# Altium PCB R100.230.030.001-00 ControlVR.PcbDoc (part 3 of 5) (continued)
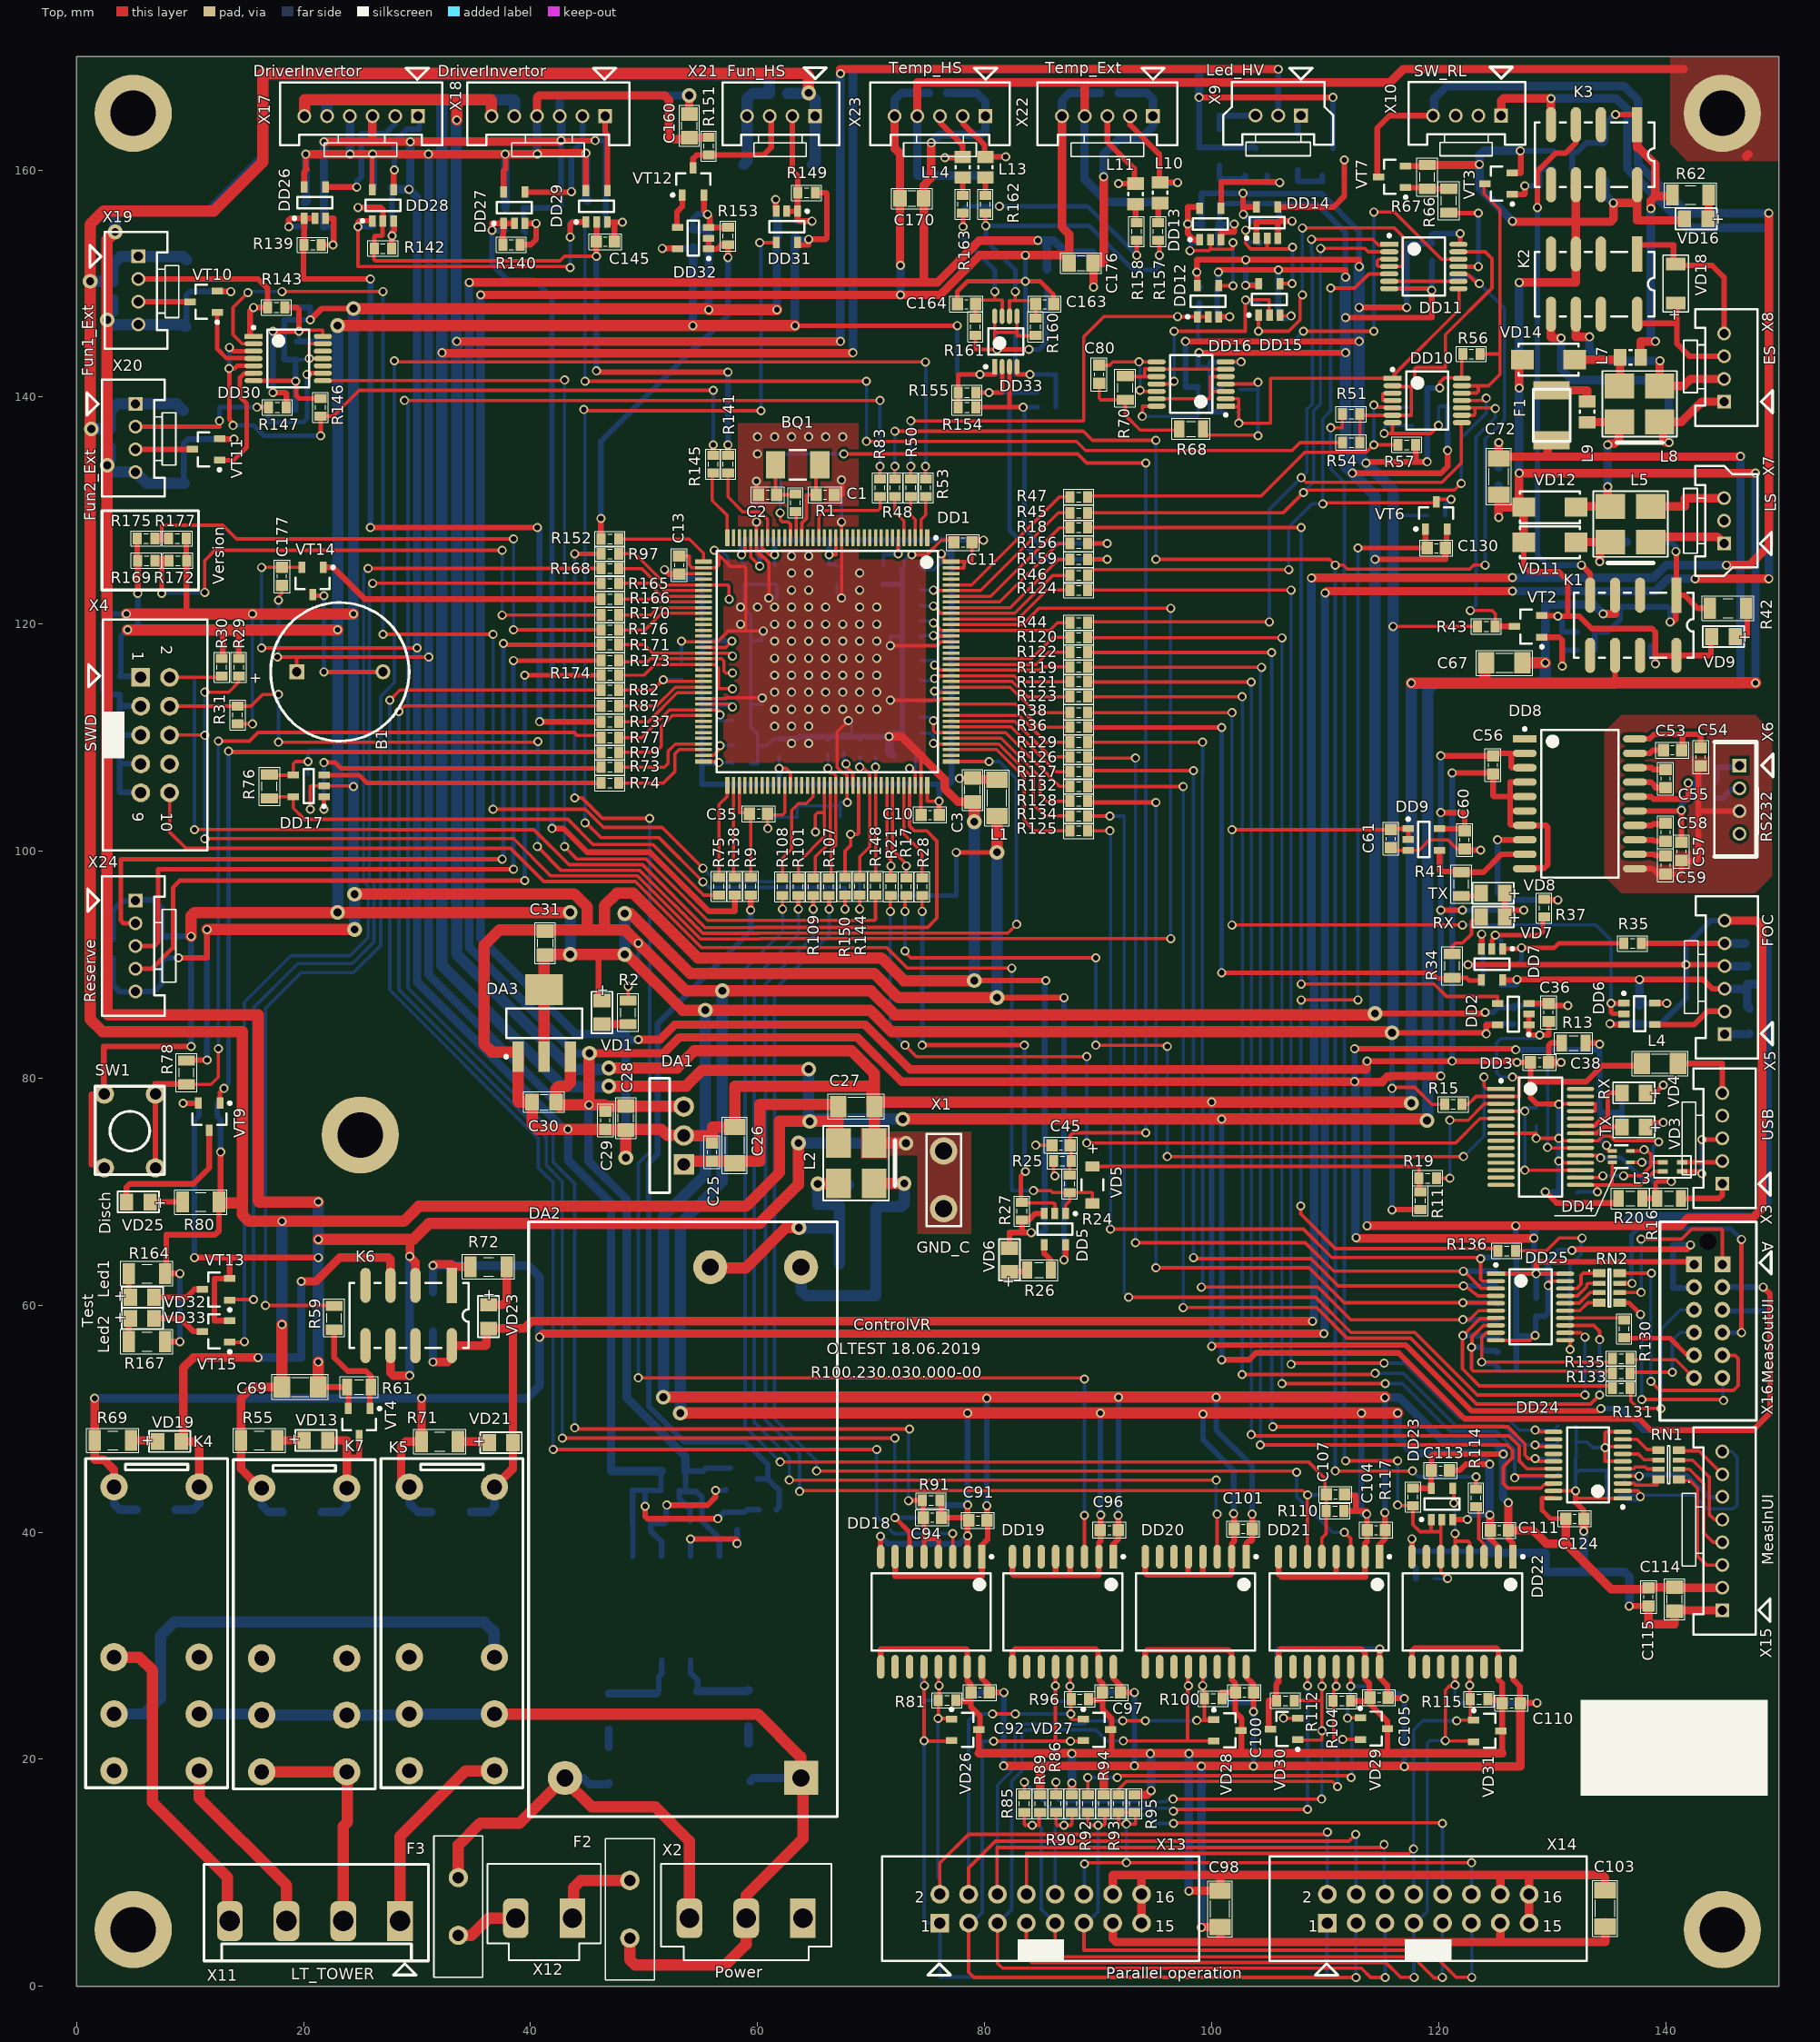
[diagram p0: Top view]
## Nets (pads, with @x,y where several pads share a name; then routed paths per layer and width w, separated by ;. In a path a pad name is that pad's centre, name@x,y a point inside that pad or via, vN(x,y) a via of type N, cw(c..) or ccw(c..) an arc to the next point about the centre after c; other vN are vias at no path point) (continued)
  Bottom w0.75: C139.1@21.8,155.025 C137.1@21.8,157.125 v1(21.8,162.5) ; C143.1@27.8,158.4 28,158.2 28.101,158.3 v1(29.3,158.3) 29.4,158.4 29.4,162.382 29.518,162.382 v1(29.4,162.5) ; v1(29.3,158.3) 30,157.6 v1(30,117.9) 30,88.475 42.975,75.5 v1(43.3,75.5) 43.3,72.8 47.1,69 47.1,45.4 C34.1@51.55,45.4 ; v1(29.35,53.8) v1(29.35,64.3) ; v1(35.6,149) 35.6,92.3 44,83.9 48.4,83.9 48.4,83.3 ; v1(42.7,162.6) 42.7,164.625 X18.3@42.575,164.75 42.575,166.575 v2(53.975,166.575) ; v2(48.4,73) 48.4,83.3 ; v1(49.5,83.4) 48.5,83.4 48.4,83.3 ; C162.1@54.325,154.8 55.6,154.8 55.7,154.7 v1(55.7,147.7) ; v1(61.7,147.7) 61.7,154.05 C155.1@61.775,154.125 61.775,155.425 C158.2@61.7,155.5 ; v1(67.3,144.9) v1(67.3,168.5) ; v1(71.6,110.1) 71.6,108.75 C21.2@71.85,108.5 ; X23.5@72.075,164.75 72.075,166.175 72.7,166.8 C169.1@75.1,166.8 ; v1(72.6,149) v1(72.6,151.6) ; X22.5@86.825,164.75 86.825,166.125 87.5,166.8 C175.1@90.2,166.8 ; C70.2@100.7,153.55 C84.1@100.7,155.25 ; v1(113.7,67) v1(113.7,81.5) ; v1(116.4,50.5) 116.4,48.4 117.824,46.976 123.524,46.976 v1(124.5,46) 124.5,41.55 v1(124.525,41.525) 124.525,38.175 129.4,38.175 129.4,36.5 132.8,36.5 ; v1(125.3,129.4) C73.1@125.3,132.2 ; v1(126.5,155.5) 123.6,158.4 v1(123.6,160.5) 123.6,161.3 124,161.7 v1(127.2,161.7) ; v1(127.1,133.3) v1(127.1,140.8) v1(127.1,150.1) ; v1(132.8,40.1) 132.8,36.5 ; VD17.1@134.7,159.075 134.7,157.8 v1(135.4,157.1) ; C48.1@136.3,84.775 C47.2@137.7,84.775 ; v1(136.8,33.5) 136.8,36.1 136.4,36.5 132.8,36.5 ; X5.4@145.2,89.875 147.175,89.875 C50.1@147.2,89.9 ; v1(147.925,114.825) v1(147.925,133.3)
  Bottom w1: C152.2@2.95,135.6 2.95,134.55 2.7,134.3 v2(2.7,134) 2.7,133.4 X20.4@5.2,133.4 ; C148.2@3.2,148.6 3.2,147.6 2.7,147.1 v2(2.7,146.8) 3.1,146.4 X19.4@5.45,146.4 9.4,146.4 C147.2@9.6,146.2 ; v2(3.4,154.55) 3.4,156.4 11.8,156.4 16.4,161 16.4,168.4 61.025,168.4 C157.2@61.025,166.75 59.55,166.75 59.075,166.275 X21.4@59.075,164.75 59.075,160.775 C156.2@58.8,160.5 ; X20.4@5.2,133.4 6.2,132.4 C151.2@9.5,132.4 ; v1(21.3,55) v1(21.3,64.2) v1(21.3,65.8) v1(21.3,69.1) ; v2(24.4,147.8) 24.404,147.796 24.404,145.718 24.4,145.714 v1(24.4,120.9) v1(24.4,105.7) 24.4,96.3 v2(24.5,96.2) v2(24.5,93.1) ; v1(33.5,164.4) 33.446,164.346 33.446,144.954 v1(33.5,144.9) 33.5,90.925 43.629,80.796 46.796,80.796 v2(46.9,80.9) ; v2(53.2,50.5) 53.2,67.2 56.9,70.9 v2(56.9,87.7) ; v2(63.6,74.3) 63.622,74.278 v2(73.078,74.278) ; v2(79.1,88.6) v2(79.1,102.6) ; v1(111.8,150.574) v1(111.8,147) 111.8,143.9 111.8,133.9 v1(112.404,133.296) 112.925,132.775 ; v1@112.349,133.351 112.925,132.775 ; v2(114.4,85.7) v1(114.4,125.7) 114.4,131.3 112.925,132.775 ; v2(117.6,77.8) v1(117.6,114.8)
  other v1: 63,109.5 64.5,109.5 61.5,111 63,111 64.5,111 61.5,112.5 63,112.5 64.5,112.5 66,112.5 67.5,112.5 69,112.5 70.5,112.5 61.5,114 63,114 64.5,114 66,114 67.5,114 69,114 70.5,114 61.5,115.5 63,115.5 64.5,115.5 66,115.5 67.5,115.5 69,115.5 70.5,115.5 61.5,117 63,117 64.5,117 66,117 67.5,117 69,117 70.5,117 61.5,118.5 63,118.5 64.5,118.5 66,118.5 67.5,118.5 69,118.5 70.5,118.5 58.5,120 61.5,120 63,120 64.5,120 66,120 67.5,120 69,120 70.5,120 58.5,121.5 60,121.5 61.5,121.5 63,121.5 64.5,121.5 66,121.5 69,121.5 70.5,121.5 63,123 64.5,123 69,123 63,124.5 64.5,124.5 69,124.5 63,126 64.5,126 60,135 60,136.5 61.5,136.5 63,136.5 64.5,136.5 66,136.5 67.5,136.5
GND_SHLD: C165.2 C166.2 C173.2 C174.2 pad.0@145,165 X22.4 X23.4 | length 98.5
  Top w0.75: X23.4@74.075,164.75 74.075,167.7 115.7,167.7 116.9,168.9 141.6,168.9 ; X22.4@88.825,164.75 88.825,167.6 ; 147.1,161.2 147.3,161.4
  Bottom w0.75: X23.4@74.075,164.75 74.071,164.746 74.071,159.529 74.1,159.5 C174.2@78.1,159.5 C173.2@80.1,159.5 ; X22.4@88.825,164.75 88.8,164.725 88.8,159.2 90.8,157.2 C166.2@93.3,157.2 C165.2@95.5,157.2
GREEN: K4.2 X11.4 | length 28.6
  Top w1: K4.2@3.306,29 5.525,29 6.7,27.825 6.7,16.2 13.3,9.6 X11.4@13.3,5.8
INT_FUN_PWM: DD1.37 R152.2 | length 8.7
  Top w0.28: R152.2@47.775,127.5 54,127.5 55.25,126.25 DD1.37@55.25,125.51
INT_FUN_SP: C159.2 DD1.96 R150.2 | length 11
  Top w0.3: R150.2@67.7,97.675 67.7,100 68.2,100.5 v1(68.2,101.5) 68.8,101.5 ; 68.9,101.6 DD1.96@68.9,105.8
  Bottom w0.3: v1(68.2,101.5) 68.8,101.5 68.9,101.6 C159.2@68.9,103
LED_DISCHARGE: DD1.64 R79.2 | length 9.8
  Top w0.28: R79.2@47.775,108.7 51,108.7 51.5,109.2 51.5,110.95 52.5,111.95 DD1.64@55.25,111.95
LS_ALARM: C63.2 DD1.132 R44.2 | length 13.8
  Top w0.28: v1(75.5,120.1) 75.529,120.1 76.179,119.45 85.75,119.45 86.425,120.125 R44.2@87.525,120.125
  Bottom w0.28: C63.2@74.35,120.3 75.3,120.3 v1(75.5,120.1)
MIN+_5V: R92.2 R94.2 X13.11 X14.11 | length 55.3
  Top w0.3: X13.11@88.76,5.575 88.76,3.185 119.165,3.185 121.55,0.8 v1(122.925,0.8) ; R92.2@89.1,15.325 89.1,14.3 89.2,14.2 v1(90,14.2) 90.5,14.2 90.6,14.3 90.6,15.225 R94.2@90.5,15.325
  Bottom w0.3: X13.11@88.76,5.575 88.975,5.575 90,6.6 v1(90,14.2) ; X14.11@122.9,5.575 122.975,5.5 122.925,5.45 v1(122.925,0.8)
MIN-_GND: R93.1 R95.1 X13.12 X14.12 | length 47.7
  Top w0.3: v1(88.8,10.8) 88.9,10.9 v1(92.5,10.9) ; v1@92.667,10.9 v1(122.9,10.9) ; R95.1@93.2,15.325 R93.1@91.8,15.325 91.8,14.3 v1(92.5,14.3) 93.3,14.3 R95.1@93.3,15.2
  Bottom w0.3: X13.12@88.76,8.115 88.8,8.155 v1(88.8,10.8) ; v1(92.5,10.9) v1(92.5,14.3) ; X14.12@122.9,8.115 v1(122.9,10.9)
MOUT+_5V: R85.2 R89.2 X13.9 X14.9 | length 56
  Top w0.3: R85.2@83.5,15.325 83.5,14.3 83.6,14.2 v1(84.2,14.2) 84.8,14.2 84.8,15.225 R89.2@84.9,15.325 ; X13.9@86.22,5.575 86.22,2.88 86.5,2.6 117.75,2.6 119.6,0.75 120.325,0.75 v1(120.325,0.8) 120.375,0.8 v1@120.425,0.75
  Bottom w0.3: v1(84.2,14.2) 84.8,14.2 85,14 85,6.795 X13.9@86.22,5.575 ; v1(120.325,0.8) 120.325,5.54 X14.9@120.36,5.575
MOUT-_GND: R86.1 R90.1 X13.10 X14.10 | length 50.9
  Top w0.3: R86.1@86.3,15.325 86.3,14.3 86.4,14.2 v1(87,14.2) 87.6,14.2 87.7,14.3 R90.1@87.7,15.325 ; v1(96.655,14.351) 96.708,14.404 120.296,14.404 v1(120.35,14.35)
  Bottom w0.3: X13.10@86.22,8.115 86.22,14.02 86.4,14.2 v1(87,14.2) 87,14.65 87.454,15.104 94.396,15.104 95.149,14.351 v1(96.655,14.351) ; v1(120.35,14.35) 120.35,8.125 X14.10@120.36,8.115
NetB1_2: B1.2 VT14.3 | length 13.4
  Top w0.4: VT14.3@20.8,122.6 20.8,122.3 21,122.5 v1(21.8,122.5) ; v1(21.8,115.8) 26.6,115.8 26.8,116 B1.2@27,115.8
  Bottom w0.4: v1(21.8,115.8) v1(21.8,122.5)
NetBQ1_1: BQ1.1 C2.1 R1.2 | length 4.5
  Top w0.3: BQ1.1@61.578,134.025 61.578,131.422 C2.1@61.7,131.3 ; C2.1@61.7,131.4 63.275,131.4 R1.2@63.35,131.475
NetBQ1_2: BQ1.2 C1.1 DD1.23 | length 7.6
  Top w0.3: DD1.23@63.9,127.6 63.9,128.9 64.3,129.3 64.3,131.4 C1.1@65.15,131.4 65.15,133.697 BQ1.2@65.478,134.025
NetC14_1: C14.1 DD1.71 | length 3.2
  Top w0.28: DD1.71@55.25,108.45 56.127,108.45 56.7,109.023 v1(56.7,109.3)
  Bottom w0.28: v1(56.7,109.3) C14.1@57.9,109.3
NetC21_1: C21.1 DD1.106 | length 3.6
  Top w0.28: v1(73.4,107.3) 73.6,107.3 73.9,107 DD1.106@73.9,105.8
  Bottom w0.28: v1(73.4,107.3) 73.95,107.3 C21.1@73.95,108.5
NetC22_1: C22.1 C23.1 C24.1 DA2.3 L2.1 | length 26.7
  Top w1: L2.1@70.275,70.722 v2(72.922,70.722)
  Bottom w1: DA2.3@63.831,63.358 63.831,61.294 64.3,60.825 70.425,60.825 70.425,63.625 C22.1@70.4,63.65 C23.1@70.4,66.7 70.4,68.5 70.6,68.7 72.7,68.7 72.922,68.922 v2(72.922,70.722) C24.1@69.878,70.722
NetC22_2: C22.2 C23.2 C24.2 DA2.4 L2.4 | length 26.8
  Top w1: DA2.4@55.55,63.4 55.65,63.3 58.975,63.3 62.525,66.85 63.675,66.85 v2(63.65,66.825) ; v2(65.3,70.7) 66.903,70.7 67.003,70.6 L2.4@67.125,70.722
  Bottom w1: v2(63.65,66.825) 67.075,66.825 C23.2@67.2,66.7 ; C22.2@67.2,63.65 C23.2@67.2,66.7 ; C24.2@68,70.6 67.9,70.7 v2(65.3,70.7) 65.3,68.9 67.1,68.9 67.2,68.8 C23.2@67.2,66.7
NetC32_2: C32.2 DA4.6 R8.1 VT1.1 | length 12.3
  Top w0.5: v1(52,42.4) 55.6,42.4 56.3,43.1 v1(56.3,43.7)
  Bottom w0.5: DA4.6@51.56,37.9 51.56,39.14 50.6,40.1 C32.2@50.6,40.8 51.75,40.8 R8.1@51.95,41 51.95,42.35 v1(52,42.4) ; v1(56.3,43.7) 57.15,43.7 VT1.1@57.2,43.75
NetC38_2: C38.2 C39.2 DD3.20 R13.1 | length 15.6
  Top w0.3: v1(129.6,73.9) 129.65,73.85 DD3.20@132.5,73.85
  Top w0.5: C38.2@129.7,81.4 129.7,81.5 129.7,82.9 129.9,83.1 R13.1@130.85,83.1
  Top w0.75: C38.2@129.6,81.4 C38.2@129.7,81.5 ; C38.2@129.7,81.4 v1(130.8,81.4)
  Bottom w0.3: v1(129.6,73.9) C39.2@129.6,81.4
  Bottom w0.75: C39.2@129.6,81.4 C39.2@129.7,81.4 v1(130.8,81.4)
NetC40_2: C40.2 DD3.4 DD3.17 | length 13.5
  Top w0.3: DD3.4@125.5,77.1 v1(127.6,77.1) ; v1(127.6,71.9) 127.604,71.896 132.496,71.896 DD3.17@132.5,71.9
  Bottom w0.3: v1(127.6,71.9) v1(127.6,77.1) 127.6,77.4 C40.2@128.6,77.4
NetC41_2: C41.2 DD3.19 R16.1 R20.2 | length 12.9
  Top w0.3: DD3.19@132.7,73.2 134.071,73.2 134.271,73 v1(134.271,72.976)
  Top w0.4: R16.1@139.2,69.4 139.1,69.5 139.1,70.733 139.267,70.9 v1(140.5,70.9)
  Top w0.5: R20.2@137.95,69.4 R16.1@139.2,69.4
  Bottom w0.4: v1(134.271,72.976) 136.116,72.976 137.892,71.2 138.6,71.2 138.9,70.9 v1(140.5,70.9)
NetC42_1: C42.1 DD3.15 DD4.3 L3.2 | length 11.9
  Top w0.3: DD3.15@132.5,70.6 134,70.6 ; v1(134,70) 134,70.6 ; DD4.3@135.3,72.6 135.3,70.6 ; L3.2@139.5,71.8 139,71.8 137.8,70.6 135.3,70.6 ; 134,70.6 135.3,70.6
  Bottom w0.3: C42.1@132.2,69.9 132.3,70 v1(134,70)
NetC43_1: C43.1 DD3.16 DD4.5 L3.3 | length 13.2
  Top w0.3: DD3.16@132.5,71.25 134.15,71.25 134.4,71.5 134.467,71.433 v1(134.467,71.404) ; v1(136.296,71.404) 137.841,71.404 138.704,72.267 138.704,73.296 138.1,73.9 v1(138.1,73.7) ; DD4.5@136.9,73.6 137.9,73.6 v1@138,73.7 ; 138.8,72.6 L3.3@139.7,72.6
  Bottom w0.3: C43.1@132.2,71.3 134.363,71.3 v1(134.467,71.404) v1(136.296,71.404)
NetC48_2: C48.2 C61.2 DD6.1 DD6.2 DD9.1 DD9.2 R38.1 | length 91.5
  Top w0.3: R38.1@89.1,112.2 v1(101.8,112.2) ; v1(101.8,93.5) v1(122.1,93.5) ; v1(101.8,101.9) C61.2@115.8,101.9
  Top w0.4: R38.1@89.1,112.3 R38.1@89.2,112.2 ; C61.2@115.8,101.9 115.875,101.975 DD9.1@117.325,101.975 DD9.2@117.325,101.025 ; DD6.1@135.971,86.6 v1(135.2,86.6) 135.2,85.807 135.332,85.675 DD6.2@136.325,85.675
  Bottom w0.3: v1(101.8,93.5) v1(101.8,112.2) ; v1(122.1,93.5) 122.104,93.504 133.833,93.504 135.2,92.137 v1(135.2,86.6)
  Bottom w0.4: v1(135.2,86.6) 135.3,86.5 136.2,86.5 C48.2@136.3,86.4
NetC51_2: C51.2 DD7.1 R35.2 | length 14
  Top w0.4: DD7.1@125.65,91.4 127.2,91.4 v1(127.3,91.5) 130.2,91.5 130.575,91.875 R35.2@136.325,91.875
  Bottom w0.4: C51.2@125.5,89.925 125.575,90 126.908,90 127.3,90.392 v1(127.3,91.5)
NetC52_1: C52.1 DD7.2 R37.2 | length 8.7
  Top w0.4: DD7.2@124.7,91.4 124.7,92.175 125,92.475 v1(125,92.6) 128.883,92.6 129.2,92.917 R37.2@129.2,94.425
  Bottom w0.4: v1(125,92.6) 125.5,92.1 C52.1@125.5,91.225
NetC53_1: C53.1 DD8.19 | length 2.6
  Top w0.5: DD8.19@137.296,108.62 138.62,108.62 138.9,108.9 C53.1@139.8,108.9
NetC55_1: C55.1 DD8.17 | length 3
  Top w0.5: DD8.17@137.296,106.08 138.72,106.08 139.1,105.7 139.1,105.6 139.996,105.6 C55.1@140,105.596
NetC55_2: C55.2 DD8.18 | length 2.8
  Top w0.5: DD8.18@137.296,107.35 138.75,107.35 138.9,107.2 139.996,107.2 C55.2@140,107.196
NetC57_2: C57.2 DD8.15 R40.2 | length 9.1
  Top w0.5: DD8.15@137.65,103.54 v1@141.31,103.54 ; v1@141.25,103.6 v1@141.31,103.54 ; C57.2@141.4,100.775 141.4,101.7 v1@141.4,103.45 ; v1@141.31,103.54 v1@141.4,103.45 ; v1@141.31,103.54 141.34,103.54 v1(141.4,103.6) v1@141.4,103.45
  Bottom w0.5: v1(141.4,103.6) 141.4,104.1 142,104.7 R40.2@142.825,104.7 R40.2@142.9,104.7
NetC58_1: C58.1 DD8.13 | length 2.4
  Top w0.5: DD8.13@137.65,101 138.9,101 139,100.9 C58.1@140,100.9
NetC58_2: C58.2 DD8.14 | length 2.4
  Top w0.5: DD8.14@137.65,102.27 138.77,102.27 138.9,102.4 C58.2@140,102.4
NetC59_2: C59.2 DD8.12 | length 2.3
  Top w0.5: DD8.12@137.65,99.73 138.97,99.73 139.1,99.6 C59.2@139.9,99.6
NetC65_2: C65.2 R49.2 VT2.1 | length 6.9
  Top w0.5: VT2.1@129.1,118.85 130.65,118.85 130.9,118.6 v1(130.9,116.3)
  Bottom w0.5: v1(130.9,116.3) C65.2@130.9,117.7 R49.2@132.225,117.7
NetC66_2: C66.2 DD10.5 R47.1 R57.2 | length 38
  Top w0.3: R47.1@88.975,131.2 R47.1@89.075,131.2 89.175,131.3 104.4,131.3 108.225,135.125 113.625,135.125 v1(114.3,135.8) R57.2@116.425,135.8 ; v1(114.3,139.3) 114.475,139.125 115.875,139.125 DD10.5@115.95,139.05
  Bottom w0.3: v1(114.3,135.8) v1@114.3,139.1 ; v1(114.3,139.3) v1@114.3,139.1 ; C66.2@117.7,139.1 v1@114.3,139.1
NetC68_2: C68.2 R58.2 VT3.1 | length 6
  Top w0.5: VT3.1@126.5,157.85 127.55,157.85 127.6,157.9 v1(127.6,158.6)
  Bottom w0.5: v1(127.6,158.6) 128.9,158.6 128.9,160 C68.2@128.8,160.1 130.025,160.1 R58.2@130.125,160
NetC70_1: C70.1 DD12.4 DD13.2 | length 12
  Top w0.3: v1(98.1,152.9) 99.775,152.9 99.9,153.025 ; DD13.2@99.9,153.875 99.9,153.025 ; DD12.4@100.65,149.825 100.675,149.8 v1(101.9,149.8) ; v1@101.8,153.6 v1(101.9,153.6) 101.9,153.1 101.825,153.025 99.9,153.025
  Bottom w0.3: v1(98.1,152.9) 98.1,153.5 98.15,153.55 C70.1@99.1,153.55 ; v1(101.9,149.8) v1(101.9,153.6)
NetC71_2: C71.2 C77.1 DD11.12 DD12.1 DD12.2 R50.1 | length 80.6
  Top w0.3: v1(73.5,133.9) 73.5,132.8 R50.1@73.525,132.775 ; v1(73.5,137.9) 88.7,137.9 88.75,137.95 88.75,145.325 90.525,147.1 v1(97,147.1) 97.025,147.075 DD12.1@98.75,147.075 DD12.2@99.7,147.075 ; v1@108.1,145.8 v1(114.3,145.8) ; v1(114.3,156.3) 116.107,156.3 120.257,152.15 DD11.12@121.75,152.15 DD11.12@121.8,152.15
  Bottom w0.3: v1@73.5,133.7 v1(73.5,133.9) v1(73.5,137.9) ; v1(97,147.1) 98.75,147.1 C77.1@98.9,146.95 C77.1@98.8,146.85 ; C77.1@98.75,146.8 C77.1@98.8,146.85 ; v1(108.1,145.8) 107.1,144.8 99.3,144.8 98.8,145.3 C77.1@98.8,146.85 ; v1(114.3,145.8) v1(114.3,156.3)
  Bottom w0.5: C77.1@98.9,146.95 C71.2@98.9,148.35
NetC74_1: C74.1 DD11.3 DD11.4 DD15.1 | length 30.5
  Top w0.3: v1@104.007,145.8 v1(104.125,145.8) ; DD15.1@104.125,147.275 v1(104.125,145.8) ; v1(108,149) 107.804,148.804 107.804,146.817 106.787,145.8 v1(104.125,145.8) ; v1(108,154.9) 116.1,154.9 116.85,154.15 116.85,151.545 116.805,151.5 DD11.4@115.65,151.5 114.7,151.5 114.6,151.6 114.6,152 114.75,152.15 DD11.3@115.65,152.15 DD11.3@115.7,152.15
  Bottom w0.3: v1(104.125,145.8) 104.125,146.6 C74.1@104.275,146.75 ; v1@108,149 v1(108,154.9)
NetC75_1: C75.1 DD15.2 DD16.11 | length 19.8
  Top w0.3: DD16.11@95.15,141.15 v1@96.65,141.15 ; v1(96.7,145.8) 102.975,145.8 v1@102.975,148.575 ; v1(103,148.55) v1@102.975,148.575 ; DD15.2@105.075,147.275 105.075,148.575 v1@102.975,148.575
  Bottom w0.3: v1(96.7,141.4) v1(96.7,145.8) ; v1(103,148.55) 103.3,148.25 104.175,148.25 C75.1@104.275,148.15
NetC76_1: C76.1 DD14.2 DD15.4 | length 13.4
  Top w0.3: v1(102.996,154.7) 102.996,153.518 103.464,153.05 104.9,153.05 ; DD14.2@104.9,154 104.9,153.05 ; DD15.4@106.025,150.025 106.05,150 v1(107.1,150) ; v1(107.125,153.2) 106.975,153.05 104.9,153.05
  Bottom w0.3: v1(102.996,154.7) 103,154.696 103,153.704 103.054,153.65 104,153.65 C76.1@104.2,153.65 ; v1(107.1,150) 107.125,150.025 v1(107.125,153.2)
  Bottom w0.5: C76.1@104,153.65 104.1,153.55 104.2,153.55 C76.1@104.2,153.65
NetC78_1: C78.1 DD16.4 R68.1 | length 14.1
  Top w0.3: R68.1@99.25,136.65 104.05,136.65 v1(104.1,136.6) ; DD16.4@101.25,141.15 103.95,141.15 v1(104.1,141.3)
  Bottom w0.3: C78.1@102.5,140.65 104.1,140.65 ; v1(104.1,136.6) 104.1,140.65 ; v1(104.1,141.3) 104.1,140.65
NetC79_1: C79.1 DD10.1 DD11.8 DD16.1 DD16.2 | length 33.7
  Top w0.3: DD16.1@101.25,139.2 101.3,139.15 102.35,139.15 ; DD16.2@101.25,139.85 102.35,139.85 102.4,139.8 v1(102.4,137.7) 102.5,137.6 102.6,137.7 105.2,137.7 105.2,141.6 105.25,141.65 DD10.1@115.95,141.65 116.1,141.65 116.1,142 121.8,147.7 DD11.8@121.8,149.55
  Bottom w0.3: v1(102.4,137.7) 102.4,138.6 102.3,138.7 C79.1@102.5,138.9
NetC80_1: C80.1 DD16.8 DD16.12 | length 9.3
  Top w0.3: C80.1@90.1,142.8 91,142.8 91.3,143.1 DD16.8@95.15,143.1 ; v1(93.7,140.6) 93.8,140.5 DD16.12@95.15,140.5 DD16.12@95.225,140.425
  Bottom w0.3: v1(93.6,143.1) 93.7,143 v1(93.7,140.6)
NetC80_2: C80.2 R68.2 R70.2 | length 10.5
  Top w0.3: C80.2@90.1,141.2 90.1,139.9 90.25,139.75 R70.2@92.4,139.75 92.4,138.4 93.7,137.1 96.95,137.1 R68.2@96.95,136.7
NetC94_2: C94.2 DD18.4 DD18.5 R83.2 R91.2 | length 190.6
  Top w0.3: v1(28.9,139.7) 28.904,139.704 70.796,139.704 v1(70.8,139.7) ; v1(43.9,49.2) 43.996,49.104 73.396,49.104 v1(73.4,49.1) ; R83.2@70.8,132.775 v1(70.8,133.9)
  Top w0.4: v1(73.3,42.783) 73.317,42.8 R91.2@74.525,42.8 74.6,42.725 C94.2@74.6,41.3 74.665,41.235 74.665,39.4 ; DD18.5@74.665,37.85 74.665,39.4 ; DD18.4@75.935,37.85 75.935,39.315 75.85,39.4 74.665,39.4
  Bottom w0.3: v1(28.9,139.7) 29.1,139.7 29.2,139.6 29.2,118.237 29.196,118.233 29.196,117.567 29.204,117.559 29.204,87.946 42,75.15 42,72.6 43.9,70.7 v1(43.9,49.2) ; v1(70.8,133.9) v1(70.8,139.7) ; v1(73.3,42.783) 73.3,49 v1(73.4,49.1)
NetC95_2: C95.2 DD18.6 R87.2 | length 130.7
  Top w0.3: v1(28.4,112.3) 28.9,112.8 R87.2@46.225,112.8 ; v1(42.8,48.3) v1(72.1,48.3)
  Top w0.4: v1(72.1,41.3) 73.395,40.005 DD18.6@73.395,37.85
  Bottom w0.3: v1(28.4,112.3) 28.4,87.8 41.4,74.8 41.4,72.3 42.8,70.9 v1(42.8,48.3) ; v1(72.1,41.3) v1(72.1,48.3)
  Bottom w0.4: v1(72.1,41.3) C95.2@74.5,41.3
NetC107_1: C107.1 DD21.5 R108.2 R110.2 | length 108.3
  Top w0.3: v1(62,46.2) 62.004,46.204 108.533,46.204 110,44.737 110,43.425 C107.1@110.1,43.325 ; v1(62.2,94.9) R108.2@62.2,96.1 ; DD21.5@109.715,37.85 109.715,39.49 110.1,39.875 R110.2@110.1,41.875 C107.1@110.1,43.325 ; C107.1@110.125,43.35 C107.1@110.1,43.325
  Bottom w0.3: v1(62,46.2) 58.9,49.3 58.9,89.6 62.2,92.9 v1(62.2,94.9)
NetC108_1: C108.1 DD21.6 R109.2 | length 107.5
  Top w0.3: v1(63.7,43.6) 63.775,43.675 108.04,43.675 v1@108.445,43.27 ; DD21.6@108.445,37.85 v1@108.445,43.27 ; v1(108.475,43.3) v1@108.445,43.27
  Top w0.4: v1(64.9,94.9) 64.9,95.8 R109.2@65.1,96
  Bottom w0.3: v1(63.7,43.6) 63.7,46.9 60.7,49.9 60.7,88.3 64.9,92.5 v1(64.9,94.9) ; v1(108.475,43.3) C108.1@110.125,43.3
NetC118_1: C118.1 DD24.11 R124.1 | length 114.6
  Top w0.3: R124.1@89.1,123 v1(107,123) ; v1(107,54.8) 107.1,54.9 v1(115.2,54.9) ; v1(128.5,49) 128.4,49 128.55,48.85 DD24.11@130.125,48.85
  Bottom w0.3: 106.996,72.1 106.996,54.804 v1(107,54.8) ; v1@106.996,122.906 106.951,122.95 106.9,123 v1(107,123) 107.004,122.996 107.004,71.924 ; v1(115.2,54.9) 117,54.9 121.8,50.1 126,50.1 127.1,49 v1(128.5,49) 130.15,49 C118.1@130.525,49.375
NetC119_1: C119.1 DD24.13 R123.1 | length 105.8
  Top w0.3: R123.1@89.1,113.6 v1(102.7,113.6) ; R123.1@89.2,113.7 R123.1@89.3,113.6 ; v1(102.7,53.9) 102.704,53.904 114.304,53.904 v1(114.4,54) ; v1(128.5,47.7) 128.5,47.6 128.55,47.55 DD24.13@130.125,47.55
  Bottom w0.3: v1(102.7,53.9) 102.7,63.537 ; v1(102.7,113.6) 102.704,113.596 102.704,63.541 102.7,63.537 ; 102.704,63.533 102.7,63.537 ; v1(114.4,54) 116.9,54 121.5,49.4 125.7,49.4 127.4,47.7 v1(128.5,47.7) 130.275,47.7 C119.1@130.525,47.95
NetC120_1: C120.1 DD24.15 R122.1 | length 113.5
  Top w0.3: R122.1@89.1,117.6 89.2,117.5 v1(105.3,117.5) ; v1(105.4,49.3) 126.1,49.3 127.6,47.8 127.6,46.8 127.9,46.5 v1(128.5,46.5) 128.75,46.25 DD24.15@130.125,46.25
  Bottom w0.3: v1(105.3,117.5) 105.3,49.4 v1(105.4,49.3) ; v1(128.5,46.5) C120.1@130.425,46.5 ; C120.1@130.175,46.25 C120.1@130.425,46.5 ; C120.1@130.475,46.55 C120.1@130.425,46.5 ; C120.1@130.525,46.55 130.475,46.5 C120.1@130.425,46.5
NetC121_1: C121.1 DD24.17 R120.1 | length 116
  Top w0.3: R120.1@89,118.9 R120.1@89.075,118.825 89.1,118.8 v1(106.2,118.8) ; v1(106.2,53.1) 106.204,53.096 v1(115.296,53.096) ; v1(126.7,44.8) 126.9,45 129.975,45 130.075,44.9 DD24.17@130.125,44.95
  Bottom w0.3: v1(106.2,53.1) 106.196,53.104 106.196,118.796 v1(106.2,118.8) ; v1(115.296,53.096) 116.804,53.096 121,48.9 125.1,48.9 126.7,47.3 v1(126.7,44.8) 126.8,44.9 129.3,44.9 129.4,45 130.15,45 130.25,44.9 C121.1@130.525,45.175
NetC125_2: C125.2 DD25.6 R129.2 | length 88.8
  Top w0.3: R129.2@89,109.7 89.2,109.5 89.3,109.6 v1(99.2,109.6) ; v1(99.1,61.6) 109.375,61.6 112.25,58.725 v1(122.15,58.725) 122.725,58.725 123.525,59.525 DD25.6@124.85,59.525
  Bottom w0.3: v1(99.1,61.6) 99.204,61.704 99.204,77.559 99.196,77.567 99.196,106.759 99.204,106.767 99.204,109.596 v1(99.2,109.6)
  Bottom w0.5: v1(122.15,58.725) 125.225,58.725 C125.2@125.25,58.7
NetC126_2: C126.2 DD25.5 R128.2 | length 81.5
  Top w0.3: v1(95.1,63.3) 108.6,63.3 111.675,60.225 v1(122.15,60.225) 124.85,60.225 DD25.5@124.95,60.125
  Top w0.4: R128.2@89,104.5 89.2,104.3 v1(95.1,104.3)
  Bottom w0.3: v1@95.1,63.4 v1(95.1,104.3)
  Bottom w0.4: v1(95.1,63.3) v1@95.1,63.4
  Bottom w0.5: v1(122.15,60.225) 125.125,60.225 C126.2@125.25,60.1
NetC127_2: C127.2 DD25.4 R127.2 | length 83.6
  Top w0.3: R127.2@89,107.1 v1(98.4,107.1) ; v1(98.4,64.2) 98.5,64.1 108.75,64.1 111.15,61.7 v1(122.2,61.7) v1@122.338,61.7 ; v1@122.338,61.699 123.466,60.825 DD25.4@125.05,60.825
  Bottom w0.3: v1@98.4,64 98.4,77.9 v1(98.4,107.1) v1@98.404,107.096
  Bottom w0.5: v1(122.2,61.7) 125.05,61.7 C127.2@125.25,61.5
NetC128_2: C128.2 DD25.3 R126.2 | length 83.6
  Top w0.3: R126.2@89,108.4 89.2,108.2 v1(93.3,108.2) ; v1(93.3,65.5) 108.25,65.5 110.75,63 v1(122.184,63) 122.268,63 123.793,61.475 DD25.3@125.05,61.475
  Bottom w0.3: v1(93.3,65.5) v1(93.3,108.2) ; v1(122.184,63) v1@122.475,63
  Bottom w0.5: v1@122.475,63 125.05,63 125.225,62.825 C128.2@125.25,62.85
NetC129_2: C129.2 DD25.2 R125.2 | length 75.6
  Top w0.3: R125.2@89.075,101.8 v1@90.9,101.8 ; v1(91.1,66.7) 108.1,66.7 110.6,64.2 123.6,64.2 v1(123.7,64.1) 123.7,62.275 123.85,62.125 DD25.2@125.05,62.125
  Top w0.5: v1@90.9,101.8 v1@91,101.7
  Bottom w0.3: v1(91.1,66.7) v1@91.1,101.8
  Bottom w0.5: v1(123.7,64.1) 123.8,64.2 C129.2@125.25,64.2
  other v1: 91.05,101.8
NetC134_2: C134.2 DD25.7 R131.2 | length 23.5
  Top w0.3: DD25.7@125.05,58.825 123.65,58.825 123.55,58.725 v1(122.15,57.325) 122.096,57.271 122.096,54.404 123.596,52.904 135.271,52.904 R131.2@135.375,52.8
  Bottom w0.5: v1(122.15,57.325) 125.225,57.325 C134.2@125.25,57.3
NetC135_2: C135.2 DD25.8 R133.2 | length 20.4
  Top w0.3: DD25.8@124.85,58.225 123.959,58.225 122.954,57.22 122.954,56.354 v1(122.9,56.3) 122.9,54.363 123.067,54.196 124.133,54.196 124.137,54.2 135.025,54.2 R133.2@135.325,53.9
  Bottom w0.5: v1(122.9,56.3) 123.8,56.3 124.1,56 125,56 125.175,55.825 C135.2@125.25,55.9
NetC136_2: C136.2 DD25.9 R135.2 | length 16.8
  Top w0.3: DD25.9@125.05,57.575 124.2,57.575 123.8,57.175 v1(123.8,55) R135.2@135.4,55
  Bottom w0.5: v1(123.8,55) 123.9,54.9 124.85,54.9 C136.2@125.25,54.5
NetC139_2: C139.2 DD26.1 DD26.2 R137.2 R139.2 | length 75.2
  Top w0.5: v1(18.7,155) 18.7,155.6 18.85,155.75 DD26.1@20.05,155.75 ; R139.2@20.025,153.4 R139.2@19.9,153.4 ; DD26.2@21,155.75 DD26.1@20.05,155.75 ; v1(25.9,128.5) v1(40.6,128.5) ; v1(25.9,150.4) 20,150.4 20,153.3 R139.2@19.9,153.4 ; v1(40.8,111.4) R137.2@46.225,111.4 ; R139.2@19.9,153.4 20.05,153.55 DD26.1@20.05,155.75
  Bottom w0.5: v1(18.7,155) 18.725,155.025 C139.2@20.2,155.025 ; v1(25.9,128.5) v1(25.9,150.4) ; v1(40.6,128.5) 40.8,128.3 v1(40.8,111.4)
NetC140_2: C140.2 DD27.1 DD27.2 R138.2 R140.2 | length 82.5
  Top w0.5: v1(36.6,154.7) 36.6,155.3 DD27.1@37.625,155.3 ; R140.2@37.55,153.425 37.55,154.25 37.6,154.3 37.6,155.275 DD27.1@37.625,155.3 ; DD27.2@38.575,155.3 DD27.1@37.625,155.3 ; v1(41.9,102) 42.9,102 45,99.9 50.5,99.9 55.7,94.7 58,94.7 R138.2@58,96.125
  Bottom w0.5: C140.2@37.775,154.675 36.625,154.675 v1(36.6,154.7) 36.6,151.7 38,150.3 40.3,150.3 41.9,148.7 v1(41.9,102)
NetC145_2: C145.2 C146.2 DD28.2 DD29.2 R141.2 R142.2 | length 60.7
  Top w0.3: R142.2@26.225,153.1 26.2,153.075 26.2,152.1 26.3,152 42.6,152 43,152.4 v1(45.8,152.4)
  Top w0.4: R142.2@26.225,153.1 26.225,154.125 26.3,154.2 26.9,154.2 26.946,154.246 26.946,155.471 DD28.2@27,155.525
  Top w0.5: v1(24.8,156.7) 26.8,156.7 27,156.5 DD28.2@27,155.525 ; v1(45.8,142.3) 45.9,142.2 v1(57.4,142.2) ; v1(45.8,152.4) C145.2@45.8,153.7 45.825,153.725 DD29.2@45.825,155.425 ; R141.2@57.4,134.875 v1(57.4,135.8)
  Bottom w0.5: v1(24.8,156.7) 24.85,156.65 C146.2@26.2,156.65 ; v1(45.8,142.3) v1(45.8,152.4) ; v1(57.4,135.8) v1(57.4,142.2)
NetC149_1: C149.1 DD30.1 R143.1 X19.2 | length 18.4
  Top w0.5: X19.2@5.45,150.4 16,150.4 16.825,149.575 R143.1@16.825,147.9 v1(15.6,147.9) 15.3,147.6 DD30.1@15.3,145.4
  Bottom w0.5: v1(15.6,147.9) C149.1@16.8,147.9
NetC153_1: C153.1 DD30.9 R147.1 X20.2 | length 24.8
  Top w0.4: X20.2@5.2,137.4 12.6,137.4 v1(12.6,137.9) ; v1(15.9,139.1) 16.725,139.1 16.825,139 R147.1@16.925,139.1 ; v1(20.3,142) 20.4,142.1 DD30.9@21.7,142.1
  Bottom w0.4: v1(12.6,137.9) 12.6,139.1 v1(15.9,139.1) 16.7,139.1 16.8,139 C153.1@16.9,139.1 16.9,137.8 20,137.8 20.3,138.1 v1(20.3,142)
NetC158_1: C158.1 DD31.1 DD31.2 R149.1 X21.2 | length 13
  Top w0.5: DD31.2@62.575,156.375 DD31.1@63.525,156.375 ; X21.2@63.075,164.75 63.075,159.925 63.55,159.45 R149.1@63.55,158 63.525,157.975 DD31.1@63.525,156.375 ; v1(64.8,155.5) 63.7,155.5 63.525,155.675 DD31.1@63.525,156.375
  Bottom w0.5: C158.1@63.375,155.5 v1(64.8,155.5)